# Altium PCB PicoHAL.pcbdoc (part 1 of 5) (continued)
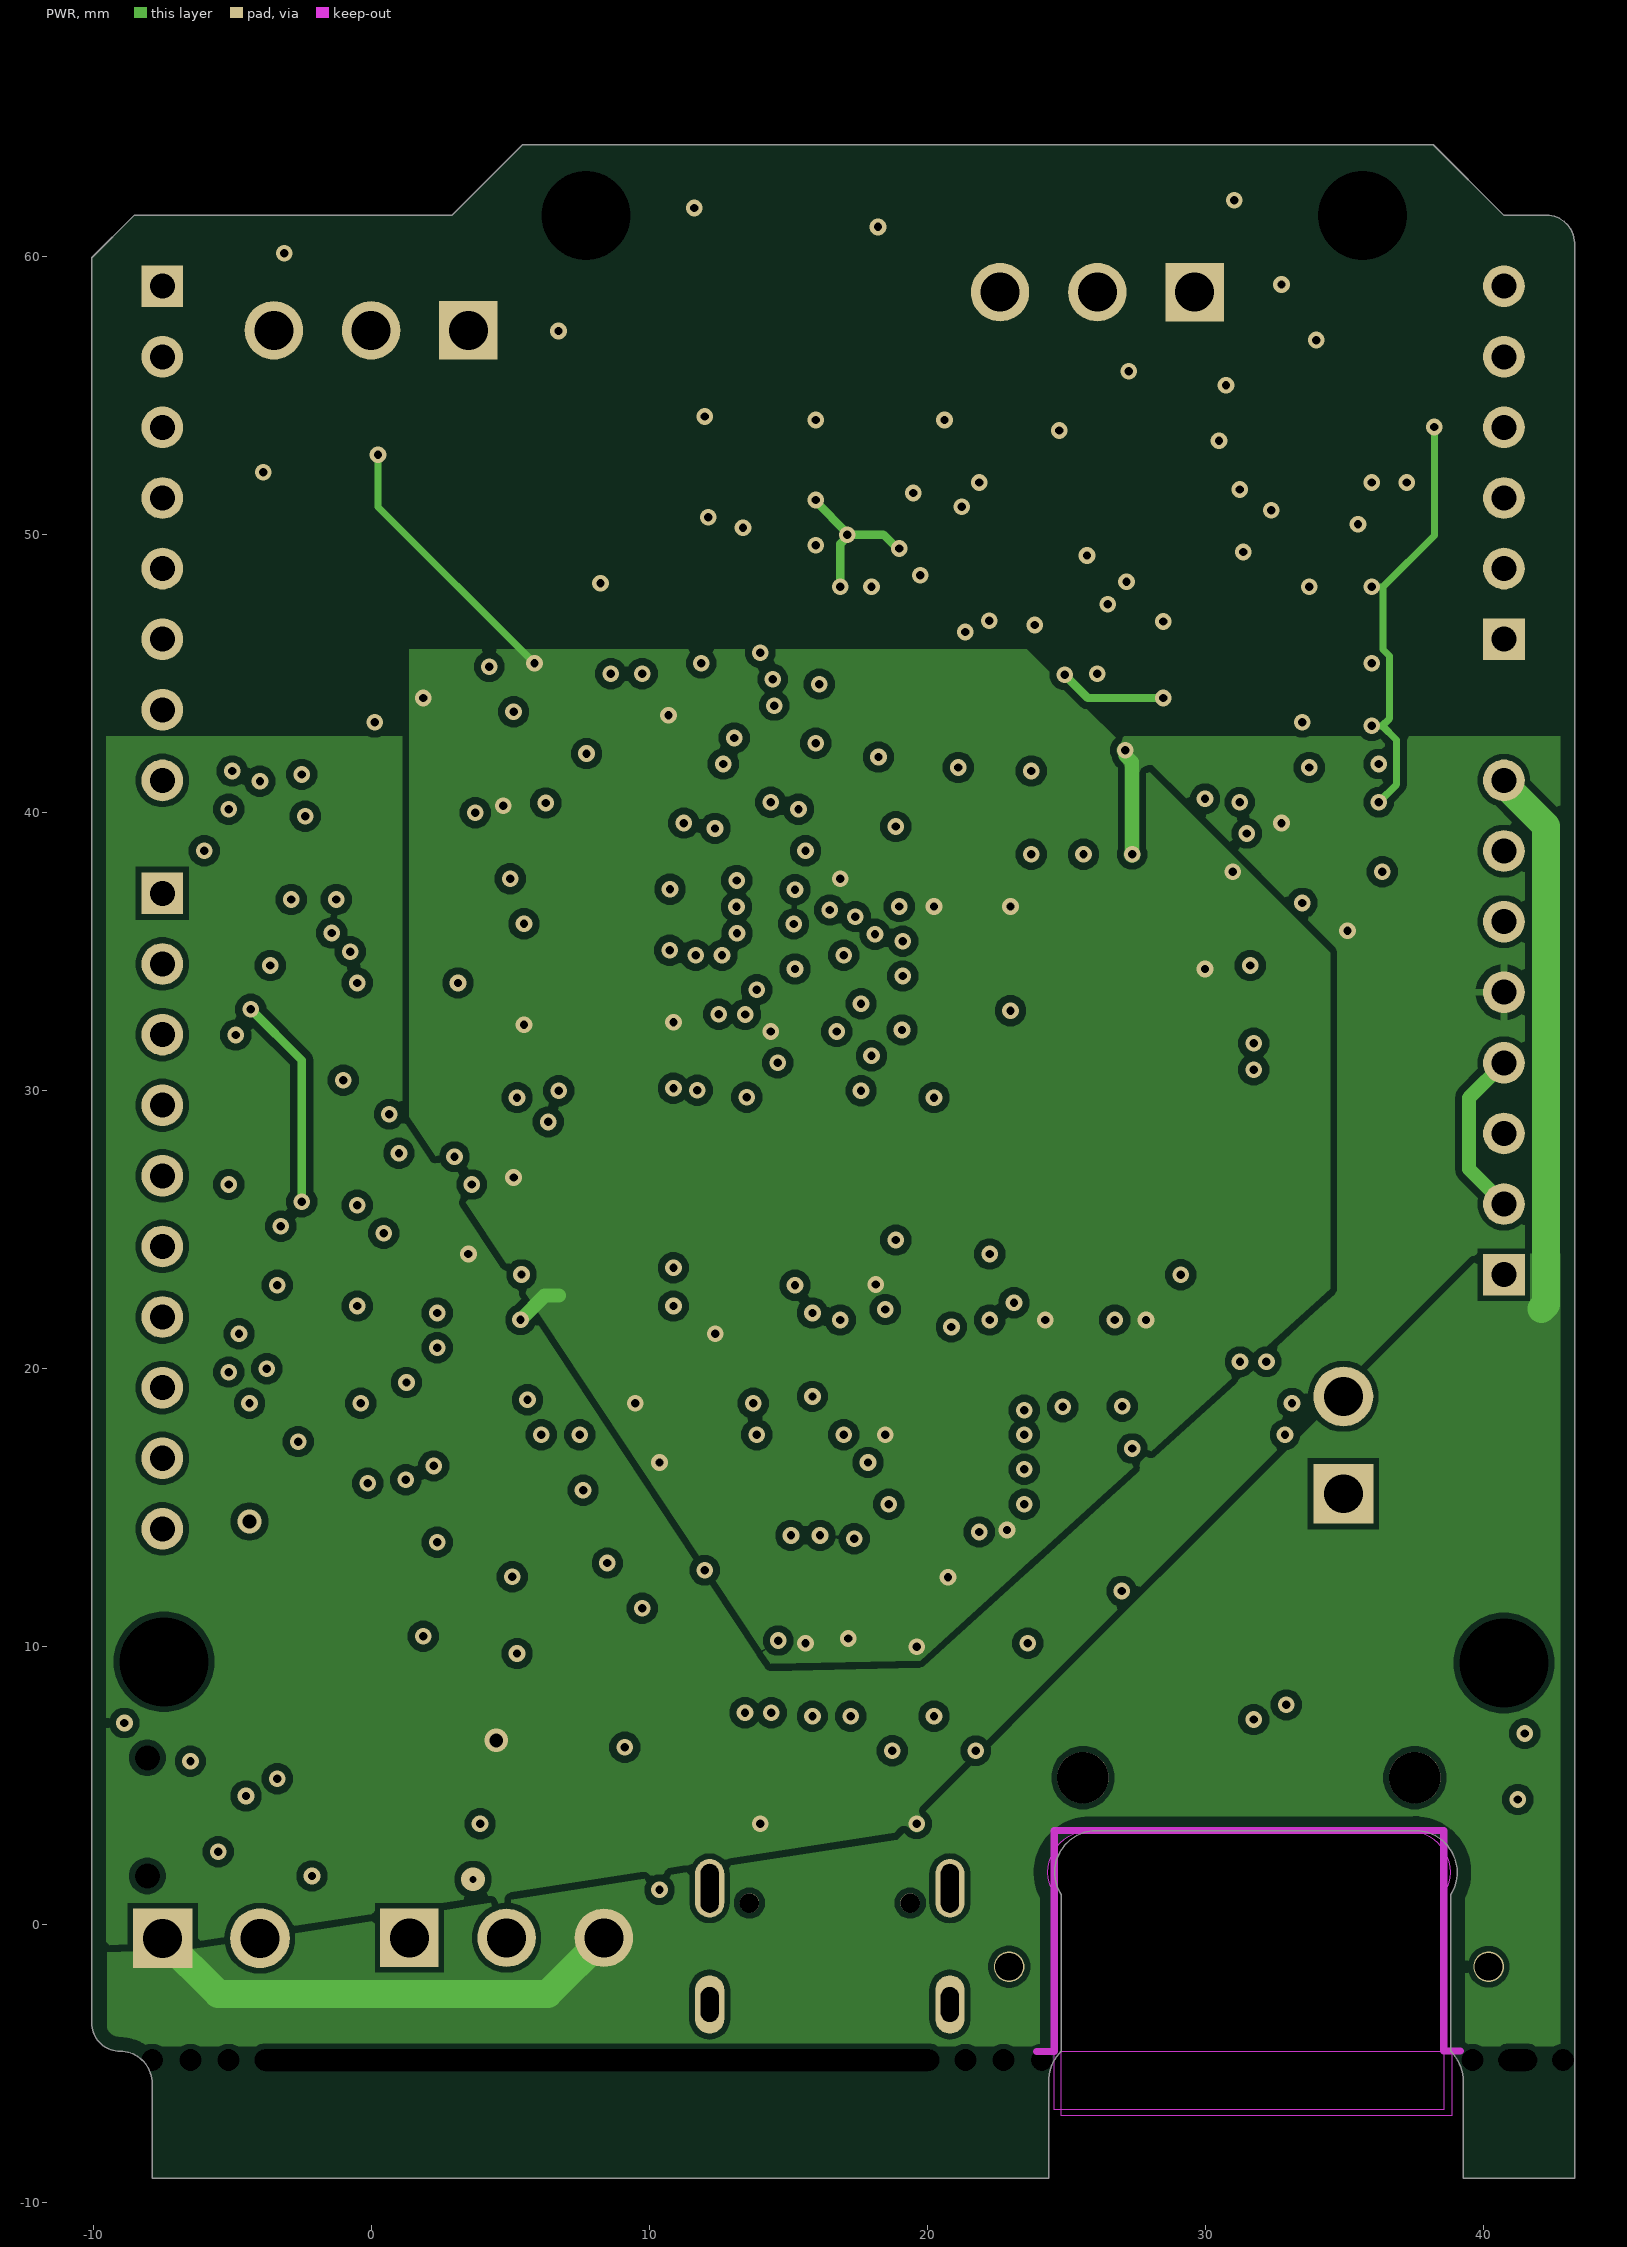
[diagram p3: PWR]

## Layer stack, top to bottom
Top Solder: solder mask 0.0102, Solder Resist, Dk 3.5
Top Layer: signal copper 0.0356
Dielectric 1: prepreg 0.0711, PP-006, Dk 4.1
GND: signal copper 0.035
Dielectric1: dielectric 1.524, FR-4, Dk 4.8
PWR: signal copper 0.035
Dielectric 2: prepreg 0.0711, PP-006, Dk 4.1
Bottom Layer: signal copper 0.0356
Bottom Solder: solder mask 0.0102, Solder Resist, Dk 3.5

## Board outline
-7.875,-9.125 24.375,-9.125 24.375,-5.642 cw(c25.912,-5.642) 24.825,-4.556 24.825,1.078 24.769,1.168 24.683,1.36 24.625,1.563 24.595,1.771 24.595,2.024 24.653,2.314 24.766,2.587 24.93,2.833 25.139,3.042 25.385,3.206 25.658,3.319 25.947,3.377 37.713,3.377 38.003,3.319 38.276,3.206 38.521,3.042 38.73,2.833 38.894,2.587 39.007,2.314 39.065,2.024 39.065,1.771 39.036,1.563 38.977,1.36 38.891,1.168 38.835,1.078 38.835,-4.556 cw(c37.748,-5.642) 39.285,-5.642 39.285,-9.125 43.29,-9.125 43.29,60.494 43.289,60.592 43.248,60.786 43.17,60.967 43.058,61.13 42.916,61.268 42.751,61.376 42.567,61.449 42.373,61.485 42.274,61.484 40.75,61.484 38.21,64.024 5.444,64.024 2.904,61.484 -8.526,61.484 -10.05,59.96 -10.05,-3.54 ccw(c-9.034,-3.54) -9.034,-4.556 cw(c-9.034,-5.715) -7.875,-5.715
cut-out: 24.575,-6.656 24.575,1.078 cw(c25.845,1.877) 24.345,1.877 cw(c25.845,1.877) 25.845,3.377 37.315,3.377 cw(c37.315,1.877) 38.815,1.877 cw(c37.315,1.877) 38.585,1.078 38.585,-6.656
cut-out: 24.825,-4.556 38.875,-4.556 38.875,-6.875 24.825,-6.875

## Design rules (kind name [scope] priority, off if disabled: settings)
BoardOutlineClearance [OnLayer('Top Layer')] p1: gap=0.508 ignorepadtopadclearanceinfootprint=FALSE
BoardOutlineClearance BoardOutlineClearance_3 [OnLayer('GND')] p2: gap=0.508 ignorepadtopadclearanceinfootprint=FALSE
BoardOutlineClearance BoardOutlineClearance_2 [OnLayer('PWR')] p3: gap=0.508 ignorepadtopadclearanceinfootprint=FALSE
BoardOutlineClearance BoardOutlineClearance_1 [OnLayer('Bottom Layer')] p4: gap=0.508 ignorepadtopadclearanceinfootprint=FALSE
Clearance [All] p1: gap=0.254 ignorepadtopadclearanceinfootprint=TRUE except(0: SMDPad-Hole Fill-Hole Poly-Hole Region-Hole Text-Hole; 0.127: Arc-Arc Arc-Track Arc-SMDPad Track-Track Track-SMDPad; 0.203: Arc-Via Track-Via SMDPad-Fill SMDPad-Poly SMDPad-Region THPad-Fill THPad-Poly THPad-Region; 0.305: SMDPad-Via THPad-Via; 0.5: THPad-Hole Via-Hole; 0.508: SMDPad-SMDPad SMDPad-THPad THPad-THPad)
Clearance "Pad Clearance" [IsPad vs IsPad] p2: gap=0.254 ignorepadtopadclearanceinfootprint=TRUE except(0: Arc-Hole Track-Hole SMDPad-Hole THPad-Hole Via-Hole Fill-Hole Poly-Hole Region-Hole Text-Hole; 0.203: Arc-Arc Arc-Track Arc-Fill Arc-Poly Arc-Region Track-Track Track-Fill Track-Poly Track-Region SMDPad-Fill SMDPad-Poly SMDPad-Region THPad-Fill THPad-Poly THPad-Region Via-Fill Via-Poly Via-Region; 0.305: SMDPad-Via THPad-Via; 0.508: SMDPad-SMDPad SMDPad-THPad THPad-THPad)
DiffPairsRouting [All] p1: maxlimit=0.254 minlimit=0.203 mostfreqgap=0.254 toplayer_mingap=0.254 toplayer_minwidth=0.152 toplayer_maxwidth=1 toplayer_prefwidth=1 midlayer1_prefgap=0.203 midlayer1_minwidth=0.152 midlayer1_maxwidth=0.381 midlayer1_prefwidth=0.254 midlayer2_prefgap=0.203 midlayer2_minwidth=0.152 midlayer2_maxwidth=0.381 midlayer2_prefwidth=0.254 bottomlayer_mingap=0.254 bottomlayer_minwidth=0.152 bottomlayer_maxwidth=1 bottomlayer_prefwidth=1 maxuncoupledlength=12.7
HoleSize [All] p1: absolutevalues=TRUE maxlimit=5.08 minlimit=0.025 maxpercent=80.000 minpercent=20.000
MinimumAnnularRing [All] p1: minimumring=0.15
MinimumSolderMaskSliver [All] p1: minsoldermaskwidth=0.127
PolygonConnect [All] p1: connectstyle=Relief reliefconductorwidth=0.254 reliefentries=4 polygonreliefangle="90 Angle" airgapwidth=0.254
RoutingVias [All] p1: holewidth=0.711 width=1.27 viastyle="Through Hole" minholewidth=0.711 minwidth=1.27 maxholewidth=0.711 maxwidth=1.27 useviatemplates=TRUE viatemplateguid#1={487A3F13-CD07-4485-BB79-18838D23A08B} viatemplateguid#2={30971F74-C060-470F-BBAD-4B4083B3ADE3} viatemplateguid#3={13C47363-E5DE-4145-9D91-E9E32A170F2C} viatemplateguid#4={58A87081-0584-45DA-A8A1-8EB324AAD6EC} viatemplatename#1=v60h30m0mx0_2670034071 viatemplatename#2=v85h50 viatemplatename#3=v102h50 viatemplatename#4=v127h71
SilkToSolderMaskClearance SilkscreenOverComponentPads [IsPad] p1: minsilkscreentomaskgap=0.254 clearancetoexposedcopper=TRUE
SolderMaskExpansion [All] p1: expansion=0.102 istentingtop=FALSE
ViasUnderSMD [All] p1: allowed=FALSE
Width [All] p1: maxlimit=5.08 minlimit=0.152 preferedwidth=0.203 minimp=50.000000 maximp=50.000000 favimp=50.000000
26 further rules are at their usual default settings.

## Classes and differential pairs
component class ET: C38 C39 C40 C41 C42 C43 C44 C45 C48 C49 C58 C59 C60 C61 C62 C63 C64 C66 D17 D18 J5 R45 R46 R47 R49 R50 R51 R52 R57 R58 R59 R60 R61 R62 R63 R64 R65 R77 R78 T1 U9 Y3
component class 5V_Supply: C3 C4 C34 C46 C47 C52 C55 C56 D14 L4 R68 R84 R85 U23
component class MODBUS: C16 C22 C31 C32 C33 D1 D11 D15 D16 J4 L2 L3 P1 P2 R8 R14 R16 R21 R23 R24 R27 R37 R42 R48 U3 U6 U11
component class PicoHAL: AD_L Analog C1 C2 C5 C6 C7 C8 C9 C10 C11 C12 C13 C14 C15 C17 C18 C19 C20 C21 C23 C24 C25 C26 C29 C30 C50 C51 C53 C54 D3 D4 D9 D10 D13 FUSE1 J1 J2 J3 J7 J8 J9 J10 J11 J12 J13 J14 J15 L1 P3 P4 P5 P6 P7 P9 PWM_L R1 R2 R3 R4 R5 R6 R7 R9 R10 R11 R12 R13 R15 R17 R19 R20 R22 R29 R31 R32 R40 R41 R69 R70 R73 R74 R75 R76 SW1 SW2 U1 U5 U13 VR2 Y1
differential pair TX_O: +TX_O_p -TX_O_n
differential pair RX_O: +RX_O_p -RX_O_n
differential pair TX: +TX_P -TX_N
differential pair TX_R: +TX_R_P -TX_R_N
differential pair RX: +RX_P -RX_N
differential pair RX_R: +RX_R_P -RX_R_N
differential pair RX_C: +RX_C_P -RX_C_N
differential pair USB_D: +USB_D_P -USB_D_N

## Components (designator, comment, footprint, x,y, rotation, side; value= is the part's Value field where it differs from the comment)
C1 "100nF" 0402_C 12,23.625 r0 top
C2 "4.7uF" 0402_C 12,22.25 r0 top
C3 "22uF" 0805_C 7.375,5.25 r180 top
C4 "100nF" 0402_C -1.7,13.375 r0 top
C5 "20pF" 0402_C 13.75,47 r270 top
C6 "20pF" 0402_C 8.125,46.875 r90 top
C7 "100nF" 0402_C 12.25,31.05 r90 top
C8 "100nF" 0402_C 8.625,43.875 r270 top
C9 "1.0uF" 0402_C 6.75,31.125 r90 top
C10 "1.0uF" 0402_C 4.5,39.25 r0 top
C11 "100nF" 0402_C 4.325,33.25 r0 top
C12 "100nF" 0402_C 17.25,38.375 r180 top
C13 "100nF" 0402_C 4.325,34.625 r0 top
C14 "100nF" 0402_C 10.875,31.125 r90 top
C15 "100nF" 0402_C 5.5,31.125 r90 top
C16 "1.0uF" 0402_C 21.25,49.8 r270 top
C17 "470nF" 0402_C 34.95,49.375 r180 top
C18 "470nF" 0402_C -2.055,29.458 r0 top
C19 "100nF" 0402_C 13.625,31.05 r90 top
C20 "470nF" 0402_C 34.95,41.75 r180 top
C21 "100nF" 0402_C 10,43.875 r270 top
C22 "100nF" 0402_C 19,37.875 r270 top
C23 "100nF" 0402_C 4.25,44.075 r270 top
C24 "22uF" 0805_C 0.5,3.375 r90 top
C25 "22uF" 0805_C 30.75,35.875 r180 top
C26 "470nF" 0402_C 34.95,45.714 r180 top
C29 "100nF" 0402_C 5.25,20.125 r90 top
C30 "100nF" 0402_C 5.25,17.25 r270 top
C31 "4.7uF" 0805_C 26.5,39.875 r0 top
C32 "22uF" 0805_C 26.5,43.625 r0 top
C33 "100nF" 0402_C 19.75,47.5 r270 top
C34 "22uF" 0805_C 3.625,5.25 r0 top
C38 "10nF" 0402_C 22.5,33.625 r180 top
C39 "6.8nF" 0402_C 22.5,35 r180 top
C40 "6.8nF" 0402_C 21.625,30.125 r180 top
C41 "4.7uF" 0402_C 22.375,16.375 r180 top
C42 "1nF" 1206_C 35.5,11.375 r180 top
C43 "10pF" 0402_C 20.875,23.875 r180 top
C44 "22uF" 0805_C 21.75,11.25 r180 top
C45 "4.7uF" 0603_C 21.75,8.25 r90 top
C46 "10uF" 1206_C 2,13.625 r180 top
C47 "10nF" 0402_C -4.625,5.875 r90 top
C48 "100nF" 0402_C 20.25,8.8 r90 top
C49 "100nF" 0402_C 22.375,17.625 r180 top
C50 "470nF" 0402_C -2.496,35.839 r0 top
C51 "470nF" 0402_C -2.101,23 r0 top
C52 "10pF" 0402_C 7.375,13.375 r180 top
C53 "470nF" 0402_C 36.45,52.75 r0 top
C54 "1.0uF" 0402_C 4.875,24.125 r0 top
C55 "10nF" 0402_C -2.875,6.25 r0 top
C56 "10nF" 0402_C 7.375,14.75 r180 top
C58 "22nF" 0402_C 26,20.9 r180 top
C59 "10nF" 0402_C 22.45,19 r180 top
C60 "10pF" 0402_C 20.5,28.875 r0 top
C61 "100nF" 0402_C 17.25,8.8 r90 top
C62 "100nF" 0402_C 15.875,8.8 r90 top
C63 "100nF" 0402_C 19,23.45 r270 top
C64 "100nF" 0402_C 22.325,15.125 r180 top
C66 "1nF" 1206_C 18.75,5.25 r0 top
D1 "SM712" SOT95P230X117-3N 33.25,52.25 r270 top
D3 "BAT54S Schottky" SOT-23(SOT-23-3) -0.25,20.25 r180 top
D4 "BAT54S Schottky" SOT-23(SOT-23-3) -0.23,16.875 r180 top
D9 "ZMM5V6" LL-34 35,36.25 r90 top
D10 "0402 Green" "LED 0402_1005 RED" 3.125,22.5 r270 top
D11 "ZMM5V6" LL-34 16.75,51.25 r0 top
D13 "SMAZ27-13-F" DIOM5226X240N -4.375,14.75 r270 top
D14 "B5819W  SL" SOD-123 10.25,3.875 r270 top
D15 "0402 Green" "LED 0402_1005 RED" 30.5,49.075 r90 top
D16 "0402 Red" "LED 0402_1005 RED" 21.5,37.875 r90 top
D17 "0402 Green" "LED 0402_1005 RED" 42.375,2.875 r270 top
D18 "0402 Yellow" "LED 0402_1005 RED" 42.375,5.05 r270 top
FID1 "Fiducial" Fiducial10-20 22.375,-7.5 r90 top
FID2 "Fiducial" Fiducial10-20 -1.5,45.625 r90 top
FUSE1 "24V 1A" 1206_C 4.24,2.875 r180 top
J1 "TYPE-C-31-M-12" HRO_TYPE-C-31-M-12 16.5,-2.875 r0 top
J2 "691322110002" FP-691322110002-MFG -5.75,-3.895 r0 top
J3 "691322110002" FP-691322110002-MFG 38.375,17.25 r90 top
J4 "2 way net solder junction - Normally Open" 2waySolder_NO 30.15,55.375 r0 bottom
J5 "Low Profile RJ45" RJ45-SMD_MJ88-B011-HLSV6-P 31.575,1.98 r0 top
J7 "2 way net solder junction - Normally Open" 2waySolder_NO 3.025,20.375 r180 bottom
J8 "2 way net solder junction - Normally Open" 2waySolder_NO 3.054,17.267 r180 bottom
J9 "2 way net solder junction - Normally Open" 2waySolder_NO -2.75,31.5 r0 bottom
J10 "2 way net solder junction - Normally Open" 2waySolder_NO -2.775,34.375 r0 bottom
J11 "2 way net solder junction - Normally Open" 2waySolder_NO -2.725,28.625 r0 bottom
J12 "2 way net solder junction - Normally Open" 2waySolder_NO 37.875,52.25 r180 bottom
J13 "2 way net solder junction - Normally Open" 2waySolder_NO 37.875,43.625 r180 bottom
J14 "2 way net solder junction - Normally Open" 2waySolder_NO 37.875,46.5 r180 bottom
J15 "2 way net solder junction - Normally Open" 2waySolder_NO 37.875,49.375 r180 bottom
L1 "W25Q128JVSIQ_TR" SOIC127P780X195-8N 14,27.25 r180 top
L2 "220R @ 100Mhz 100mA" 0402_L 28.25,41.75 r0 top
L3 "220R @ 100Mhz 100mA" 0402_L 25.815,41.75 r180 top
L4 "22uH ±10%" INDP4040X30N 7.375,9.75 r270 top
P1 "691322110003" 691322110003 0,60.75 r180 top
P2 "691322110003" 691322110003 26.125,62.125 r180 top
P3 "Header 10 female" HDR1X10 -7.51,37.096 r270 top locked
P4 "Header 8 female" HDR1X8 40.75,23.38 r90 top locked
P5 "Header 8 female" HDR1X8 -7.51,58.94 r270 top locked
P6 "Header 6 female" HDR1X6 40.75,46.24 r90 top locked
P7 "FTSH-105-01-L-DV" SMTC-FTSH-105-01-L-DV_V 0.5,50.375 r270 top
P9 "691322110003" 691322110003 4.875,-3.875 r0 top
R1 "DNP" 0402 17.375,23.375 r270 top value=0R
R2 "1KΩ ±1%" 0402_R 16.125,23.45 r90 top
R3 "22Ω ±1%" 0402_R 9.5,31.075 r90 top
R4 "22Ω ±1%" 0402_R 8.125,31.075 r90 top
R5 "470Ω ±1%" 0402_R 11.625,43.875 r270 top
R6 "2.2KΩ ±1%" 0402_R 3.5,19.375 r0 top
R7 "10KΩ ±1%" 0402_R 34.95,40.589 r0 top
R8 "1KΩ ±1%" 0402_R 21.25,47.625 r90 top
R9 "510Ω ±1%" 0402_R 34.95,39.339 r180 top
R10 "1KΩ ±1%" 0402_R 4.5,22.5 r270 top
R11 "75Ω ±1%" 0402_R 2,24.625 r270 top
R12 "10KΩ ±1%" 0402_R -2.055,26.875 r180 top
R13 "510Ω ±1%" 0402_R -2.055,28.167 r0 top
R14 "0Ω ±1%" 0402_R 20.25,37.875 r270 top
R15 "2.2KΩ ±1%" 0402_R 3.5,18 r0 top
R16 "0Ω ±1%" 0402_R 17.5,49.25 r180 top
R17 "2.2KΩ ±1%" 0402_R 3.5,20.75 r180 top
R19 "10KΩ ±1%" 0402_R 5.875,44.075 r90 top
R20 "10KΩ ±1%" 0402_R 34.95,43.214 r0 top
R21 "1KΩ ±1%" 0402_R 25.8,45.875 r0 top
R22 "510Ω ±1%" 0402_R 34.95,44.464 r180 top
R23 "1KΩ ±1%" 0402_R 19.875,49.875 r90 top
R24 "200Ω ±1%" 0402_R 13.75,44.375 r270 top
R27 "1KΩ ±1%" 0402_R 30.5,51.25 r90 top
R29 "2.2KΩ ±1%" 0402_R 3.5,16.625 r180 top
R31 "5.1KΩ ±1%" 0402_R 8.125,1.75 r180 top
R32 "5.1KΩ ±1%" 0402_R 8.125,3.25 r180 top
R37 "2.4KΩ ±1%" 0402_R 28,45.875 r180 top
R40 "10KΩ ±1%" 0402_R 34.95,48.125 r0 top
R41 "510Ω ±1%" 0402_R 34.95,46.875 r180 top
R42 "510Ω ±1%" 0402_R 22.75,37.875 r90 top
R45 "49.9Ω ±1%" 0402_R 20.375,32.875 r180 top
R46 "33Ω ±1%" 0402_R 20.375,34.25 r180 top
R47 "49.9Ω ±1%" 0402_R 27.75,20.5 r270 top
R48 "120Ω ±1%" 0805_R 33.125,55.375 r0 top
R49 "49.9Ω ±1%" 0402_R 24.25,20.5 r270 top
R50 "10Ω ±1%" 0402_R 26,19.5 r180 top
R51 "330Ω ±1%" 0402_R 36.7,7.875 r0 top
R52 "330Ω ±1%" 0402_R 36.7,9.375 r0 top
R57 "49.9Ω ±1%" 0402_R 22.125,31.875 r270 top
R58 "33Ω ±1%" 0402_R 13.25,8.8 r90 top
R59 "33Ω ±1%" 0402_R 14.5,8.8 r90 top
R60 "1MΩ ±1%" 0402_R 20.875,22.5 r0 top
R61 "4.7KΩ ±1%" 0402_R 9.5,20 r90 top
R62 "75Ω ±1%" 0402_R 33.625,8.25 r90 top
R63 "75Ω ±1%" 0402_R 34.875,8.25 r90 top
R64 "75Ω ±1%" 0402_R 36.25,30.925 r90 top
R65 "75Ω ±1%" 0402_R 36.125,22.75 r90 top
R68 "10KΩ ±1%" 0603_R -0.02,6.25 r0 top
R69 "10KΩ ±1%" 0402_R -2.496,33.339 r180 top
R70 "510Ω ±1%" 0402_R -2.496,34.589 r0 top
R73 "10KΩ ±1%" 0402_R -0.48,24.625 r90 top
R74 "510Ω ±1%" 0402_R -2.101,24.25 r0 top
R75 "10KΩ ±1%" 0402_R 36.325,54.214 r0 top
R76 "510Ω ±1%" 0402_R 36.325,55.464 r180 top
R77 "33Ω ±1%" 0402_R 20.375,31.5 r180 top
R78 "12.4KΩ ±1%" 0603_R 18.75,8.25 r90 top
R84 "47KΩ ±1%" 0402_R 5.375,13.775 r270 top
R85 "1.91KΩ ±1%" 0603_R -2.125,3.625 r90 top
SW1 "SKRTLAE010" ALPS-SKRTLAE010_V -8.125,3.875 r270 top
SW2 "TS-1092S-B3D2-G" SW-SMD_L6.1-W3.6-LS7.9 28.125,14.125 r90 top
T1 "HR641680E" HR641680E 29,28.125 r270 top locked
U1 "RP2040" RP2040 10.75,37.25 r180 top
U3 "CBMuD1201LAS8" SOIC-8_150mil 21.885,42.65 r0 top
U5 "MAX809STRG" FP-318-08-MFG 1.875,44.25 r90 top
U6 "EL3H7" SOIC127P700X200-4N 17.395,43.625 r90 top
U9 "W5500" LQFP-48_7x7x05P 16.125,16.375 r0 top
U11 "SN75176BDR" SOIC-8_150mil 25.875,49.625 r90 top
U13 "SN74LVC2G17DBVR" DBV0006A_N 4.5,26.875 r270 top
U23 "TPS54331DR" SOIC-8_150mil 1,9.75 r270 top
VR2 "XC6206P332MR" SOT-23-3L 31.25,38.75 r180 top
Y1 "YSX321SL" YSX321SL 10.875,47.375 r180 top
Y3 "25.0 MHz" YSX321SL 21.25,26.375 r0 top

## Footprints (in the part's own frame and the unit in brackets; to place one, negate y for a bottom-side part, rotate by r counter-clockwise, add the part's x,y. Pads: shape width x height; smd on the part's side, far side on the other; paste and mask are expansions set on the pad)
2waySolder_NO [mm] "2 way net solder junction - Normally Open"
  rect 1x2 smd paste-1.016: 1(-0.65,0) 2(0.65,0)
  silkscreen extent -0.62,-1.8 0.65,-1.37
0402 [mm] "Chip Capacitor, Body 1.0x0.5mm, IPC High Density"
  rect 0.6x0.5 smd: 1(-0.5,0) 2(0.5,0)
  body extent -0.55,-0.3 0.55,0.3, height 1.3
0402_C [mm]
  rect 0.6x0.65 smd mask+0.051: 1(-0.425,0) 2(0.425,0)
  silkscreen extent -0.98,-0.58 0.97,0.58, body extent -0.48,-0.3 0.52,0.3, height 0.2
0402_L [mm]
  rect 0.6x0.65 smd mask+0.051: 1(-0.425,0) 2(0.425,0)
  silkscreen extent -0.97,-0.58 0.97,0.58, body extent -0.51,-0.26 0.54,0.26, height 0.36
0402_R [mm]
  rect 0.6x0.65 smd mask+0.051: 1(-0.425,0) 2(0.425,0)
  silkscreen extent -0.97,-0.58 0.98,0.58, body extent -0.57,-0.27 0.58,0.28, height 0.41
0603_C [mm]
  rect 0.93x0.98 smd: 1(-0.77,0) 2(0.77,0)
  silkscreen extent -1.53,-0.79 1.54,0.79, body extent -0.8,-0.4 0.8,0.4, height 0.3
0603_R [mm]
  rect 0.93x0.98 smd: 1(-0.77,0) 2(0.77,0)
  silkscreen extent -1.53,-0.79 1.54,0.79, body extent -0.85,-0.4 0.85,0.4, height 0.56
0805_C [mm]
  rect 1.16x1.47 smd: 1(-0.89,0) 2(0.89,0)
  silkscreen extent -1.77,-1.04 1.77,1.04, body extent -1,-0.62 1,0.63, height 0.77
0805_R [mm]
  rect 1.16x1.47 smd: 1(-0.89,0) 2(0.89,0)
  silkscreen extent -1.77,-1.04 1.77,1.03, body extent -1,-0.62 1,0.63, height 0.49
1206_C [mm]
  rect 1.13x1.8 smd: 1(-1.49,0) 2(1.49,0)
  silkscreen extent -2.36,-1.2 2.35,1.2, body extent -1.6,-0.81 1.6,0.79, height 1
691322110003 [mm] "Horizontal PCB Header, pitch 3.5mm, 03p"
  rect 2.1x2.1 hole 1.4: 1(-3.5,3.4)
  round 2.1 hole 1.4: 2(0,3.4) 3(3.5,3.4)
  silkscreen extent -5.95,-4.6 5.95,4.6, body extent -5.95,-4.6 5.95,4.6, height 7.3
ALPS-SKRTLAE010_V [mm] "SMD, 3-Leads, Body 4.5x3.55mm, Pitch 1.225mm"
  rect 0.75x1.8 smd: 1(-1.225,0.975) 3(1.225,0.975)
  rect 0.6x1.8 smd: 2(0,0.975)
  round 0 hole 0.9 unplated: MH1(-2.125,0.075) MH2(2.125,0.075)
  rect 1.3x0.9 smd: MP1(-1.85,-0.975) MP2(1.85,-0.975)
  silkscreen extent -1.38,2.3 -1.13,2.55, body extent -2.25,-1.94 2.25,1.61, height 3.36
DBV0006A_N [mm] "SOT23, 6-Leads, Body 3.05x1.75mm, Pitch 0.95mm, IPC Medium Density"
  rrect17% 1x0.6 smd: 1(-1.375,0.95) 2(-1.375,0) 3(-1.375,-0.95) 4(1.375,-0.95) 5(1.375,0) 6(1.375,0.95)
  silkscreen extent -1.5,-1.55 0.5,1.92, body extent -1.42,-1.46 1.42,1.46, height 1.11
DIOM5226X240N [mm]
  rect 2.35x1.55 smd: 1(-2.15,0) 2(2.15,0)
  silkscreen extent -3.21,-1.3 3.57,1.3, body extent -2.6,-1.3 2.6,1.3, height 2.4
Fiducial10-20 [mm]
  round 1 smd mask+0.5: 1(0,0)
  Top Layer keep-out circle w1.178: c0,0 r0.5
FP-318-08-MFG [mm]
  rect 0.9x0.8 smd paste+0 mask+0: 1(-1,0.95) 2(-1,-0.95) 3(1,0)
  silkscreen extent -0.7,-1.52 0.7,1.52, body extent -1.55,-1.62 1.55,1.62, height 0.25
FP-691322110002-MFG [mm]
  rect 2.15x2.15 hole 1.4 paste-2539.97 mask+0: 1(-1.75,3.4)
  round 2.15 hole 1.4 paste-2539.97 mask+0: 2(1.75,3.4)
  silkscreen extent -4.3,-4.7 4.3,5.42, body extent -4.4,-4.8 4.4,4.8, height 0.25
HDR1X6 [mm] "Connector; Header; 6 Position"
  rect 1.5x1.5 hole 0.9: 1(0,0)
  round 1.5 hole 0.9: 2(2.54,0) 3(5.08,0) 4(7.62,0) 5(10.16,0) 6(12.7,0)
  silkscreen extent -1.27,-1.27 13.97,1.27
HDR1X8 [mm] "Connector; Header; 8 Position"
  rect 1.5x1.5 hole 0.9: 1(0,0)
  round 1.5 hole 0.9: 2(2.54,0) 3(5.08,0) 4(7.62,0) 5(10.16,0) 6(12.7,0) 7(15.24,0) 8(17.78,0)
  silkscreen extent -1.27,-1.27 19.05,1.27
HDR1X10 [mm] "Connector; Header; 10 Position"
  rect 1.5x1.5 hole 0.9: 1(0,0)
  round 1.5 hole 0.9: 2(2.54,0) 3(5.08,0) 4(7.62,0) 5(10.16,0) 6(12.7,0) 7(15.24,0) 8(17.78,0) 9(20.32,0) 10(22.86,0)
  silkscreen extent -1.27,-1.27 24.13,1.27
HR641680E [mm]
  rect 0.635x1.905 smd: 1(-4.445,-4.381) 2(-3.175,-4.381) 3(-1.905,-4.381) 4(-0.635,-4.381) 5(0.635,-4.381) 6(1.905,-4.381) 7(3.175,-4.381) 8(4.445,-4.381) 9(4.445,4.381) 10(3.175,4.381) 11(1.905,4.381) 12(0.635,4.381) 13(-0.635,4.381) 14(-1.905,4.381) 15(-3.175,4.381) 16(-4.445,4.381)
  silkscreen extent -6.35,-6.1 6.35,3.62, body extent -6.35,-5.27 6.35,5.27, height 5.81
HRO_TYPE-C-31-M-12 [mm]
  rect 0.6x1.45 smd: A1B12(-3.25,5.095) A4B9(-2.45,5.095) B1A12(3.25,5.095) B4A9(2.45,5.095)
  rect 0.3x1.45 smd: A5(-1.25,5.095) A6(-0.25,5.095) A7(0.25,5.095) A8(1.25,5.095) B5(1.75,5.095) B6(0.75,5.095) B7(-0.75,5.095) B8(-1.75,5.095)
  oval 1.05x2.1 hole 0.65 slot 1.75 at 90 deg: S1(-4.32,4.18) S2(4.32,4.18)
  oval 1.05x2.1 hole 0.65 slot 1.25 at 90 deg: S3(-4.32,0) S4(4.32,0)
  round 0.7 hole 0.7 unplated: ""(-2.89,3.65) ""(2.89,3.65)
  silkscreen extent -4.47,-2.6 4.47,6.5, body extent -4.47,-2.6 4.47,5.3, height 3.31
INDP4040X30N [mm] "Precision Wire Wound Inductor, 2-Leads, Body 4.00x4.00mm, IPC Medium Density"
  rect 1.9x3.4 smd: 1(-1.7,0) 2(1.7,0)
  silkscreen extent -2,-2 2,2, body extent -2.1,-2 2.1,2, height 3.1
"LED 0402_1005 RED" [mm] "Chip Diode, 2-Leads, Body 1.00x0.50mm, IPC Medium Density"
  rect 0.6x0.65 smd mask+0.051: A(-0.425,0) K(0.425,0)
  silkscreen extent -0.97,-0.58 0.97,0.58, body extent -0.5,-0.25 0.5,0.25, height 0.21
LL-34 [mm]
  rect 0.9x1.5 smd: 1(1.75,0) 2(-1.75,0)
  silkscreen extent -1.8,-1.08 1.8,1.08
LQFP-48_7x7x05P [mm]
  oval 0.28x1.8 smd mask+0.051: 1(-2.75,-4.05) 2(-2.25,-4.05) 3(-1.75,-4.05) 4(-1.25,-4.05) 5(-0.75,-4.05) 6(-0.25,-4.05) 7(0.25,-4.05) 8(0.75,-4.05) 9(1.25,-4.05) 10(1.75,-4.05) 11(2.25,-4.05) 12(2.75,-4.05) 25(2.75,4.05) 26(2.25,4.05) 27(1.75,4.05) 28(1.25,4.05) 29(0.75,4.05) 30(0.25,4.05) 31(-0.25,4.05) 32(-0.75,4.05) 33(-1.25,4.05) 34(-1.75,4.05) 35(-2.25,4.05) 36(-2.75,4.05)
  oval 1.8x0.28 smd mask+0.051: 13(4.05,-2.75) 14(4.05,-2.25) 15(4.05,-1.75) 16(4.05,-1.25) 17(4.05,-0.75) 18(4.05,-0.25) 19(4.05,0.25) 20(4.05,0.75) 21(4.05,1.25) 22(4.05,1.75) 23(4.05,2.25) 24(4.05,2.75) 37(-4.05,2.75) 38(-4.05,2.25) 39(-4.05,1.75) 40(-4.05,1.25) 41(-4.05,0.75) 42(-4.05,0.25) 43(-4.05,-0.25) 44(-4.05,-0.75) 45(-4.05,-1.25) 46(-4.05,-1.75) 47(-4.05,-2.25) 48(-4.05,-2.75)
  silkscreen extent -3.6,-4.42 2.75,2.75, body extent -4.5,-4.5 4.5,4.5, height 1.6
RJ45-SMD_MJ88-B011-HLSV6-P [mm]
  rect 0.7x2.4 smd paste-100 mask+0.05: 1(-3.57,3.605) 2(-2.55,3.605) 3(-1.53,3.605) 4(-0.51,3.605) 5(0.51,3.605) 6(1.53,3.605) 7(2.55,3.605) 8(3.57,3.605)
  rect 2.55x4.3 smd paste-100 mask+0.05: 9(8.425,-3.605) 10(-8.425,-3.496)
  round 1.1 hole 1 paste-2539.97: 9(8.625,-3.495) 10(-8.625,-3.495)
  round 1.85 hole 1.85 unplated paste-2539.97: ""(-5.97,3.305) ""(5.97,3.305)
  Top Layer keep-out lines w0.305: -7.23,-0.103 cw(c-5.73,-0.103) -5.73,1.397 5.74,1.397 cw(c5.74,-0.103) 7.24,-0.103 cw(c5.74,-0.103) 7.01,-0.901 7.01,-6.52 7.01,-8.636 -7,-8.636 -7,-6.54 -7,-0.901 cw(c-5.73,-0.103) -7.23,-0.103
  Keep-Out Layer board cut-out: -7,-8.636 -7,-0.901 -7.171,-0.518 -7.23,-0.103 -7.23,-0.103 -7.116,0.471 -6.791,0.958 -6.304,1.283 -5.73,1.397 -5.73,1.397 5.74,1.397 6.314,1.283 6.801,0.958 7.126,0.471 7.24,-0.103 7.24,-0.103 7.181,-0.518 7.01,-0.901 7.01,-0.901 7.01,-8.636